# Altium PCB Final decision V5.PcbDoc (part 1 of 2) (continued)
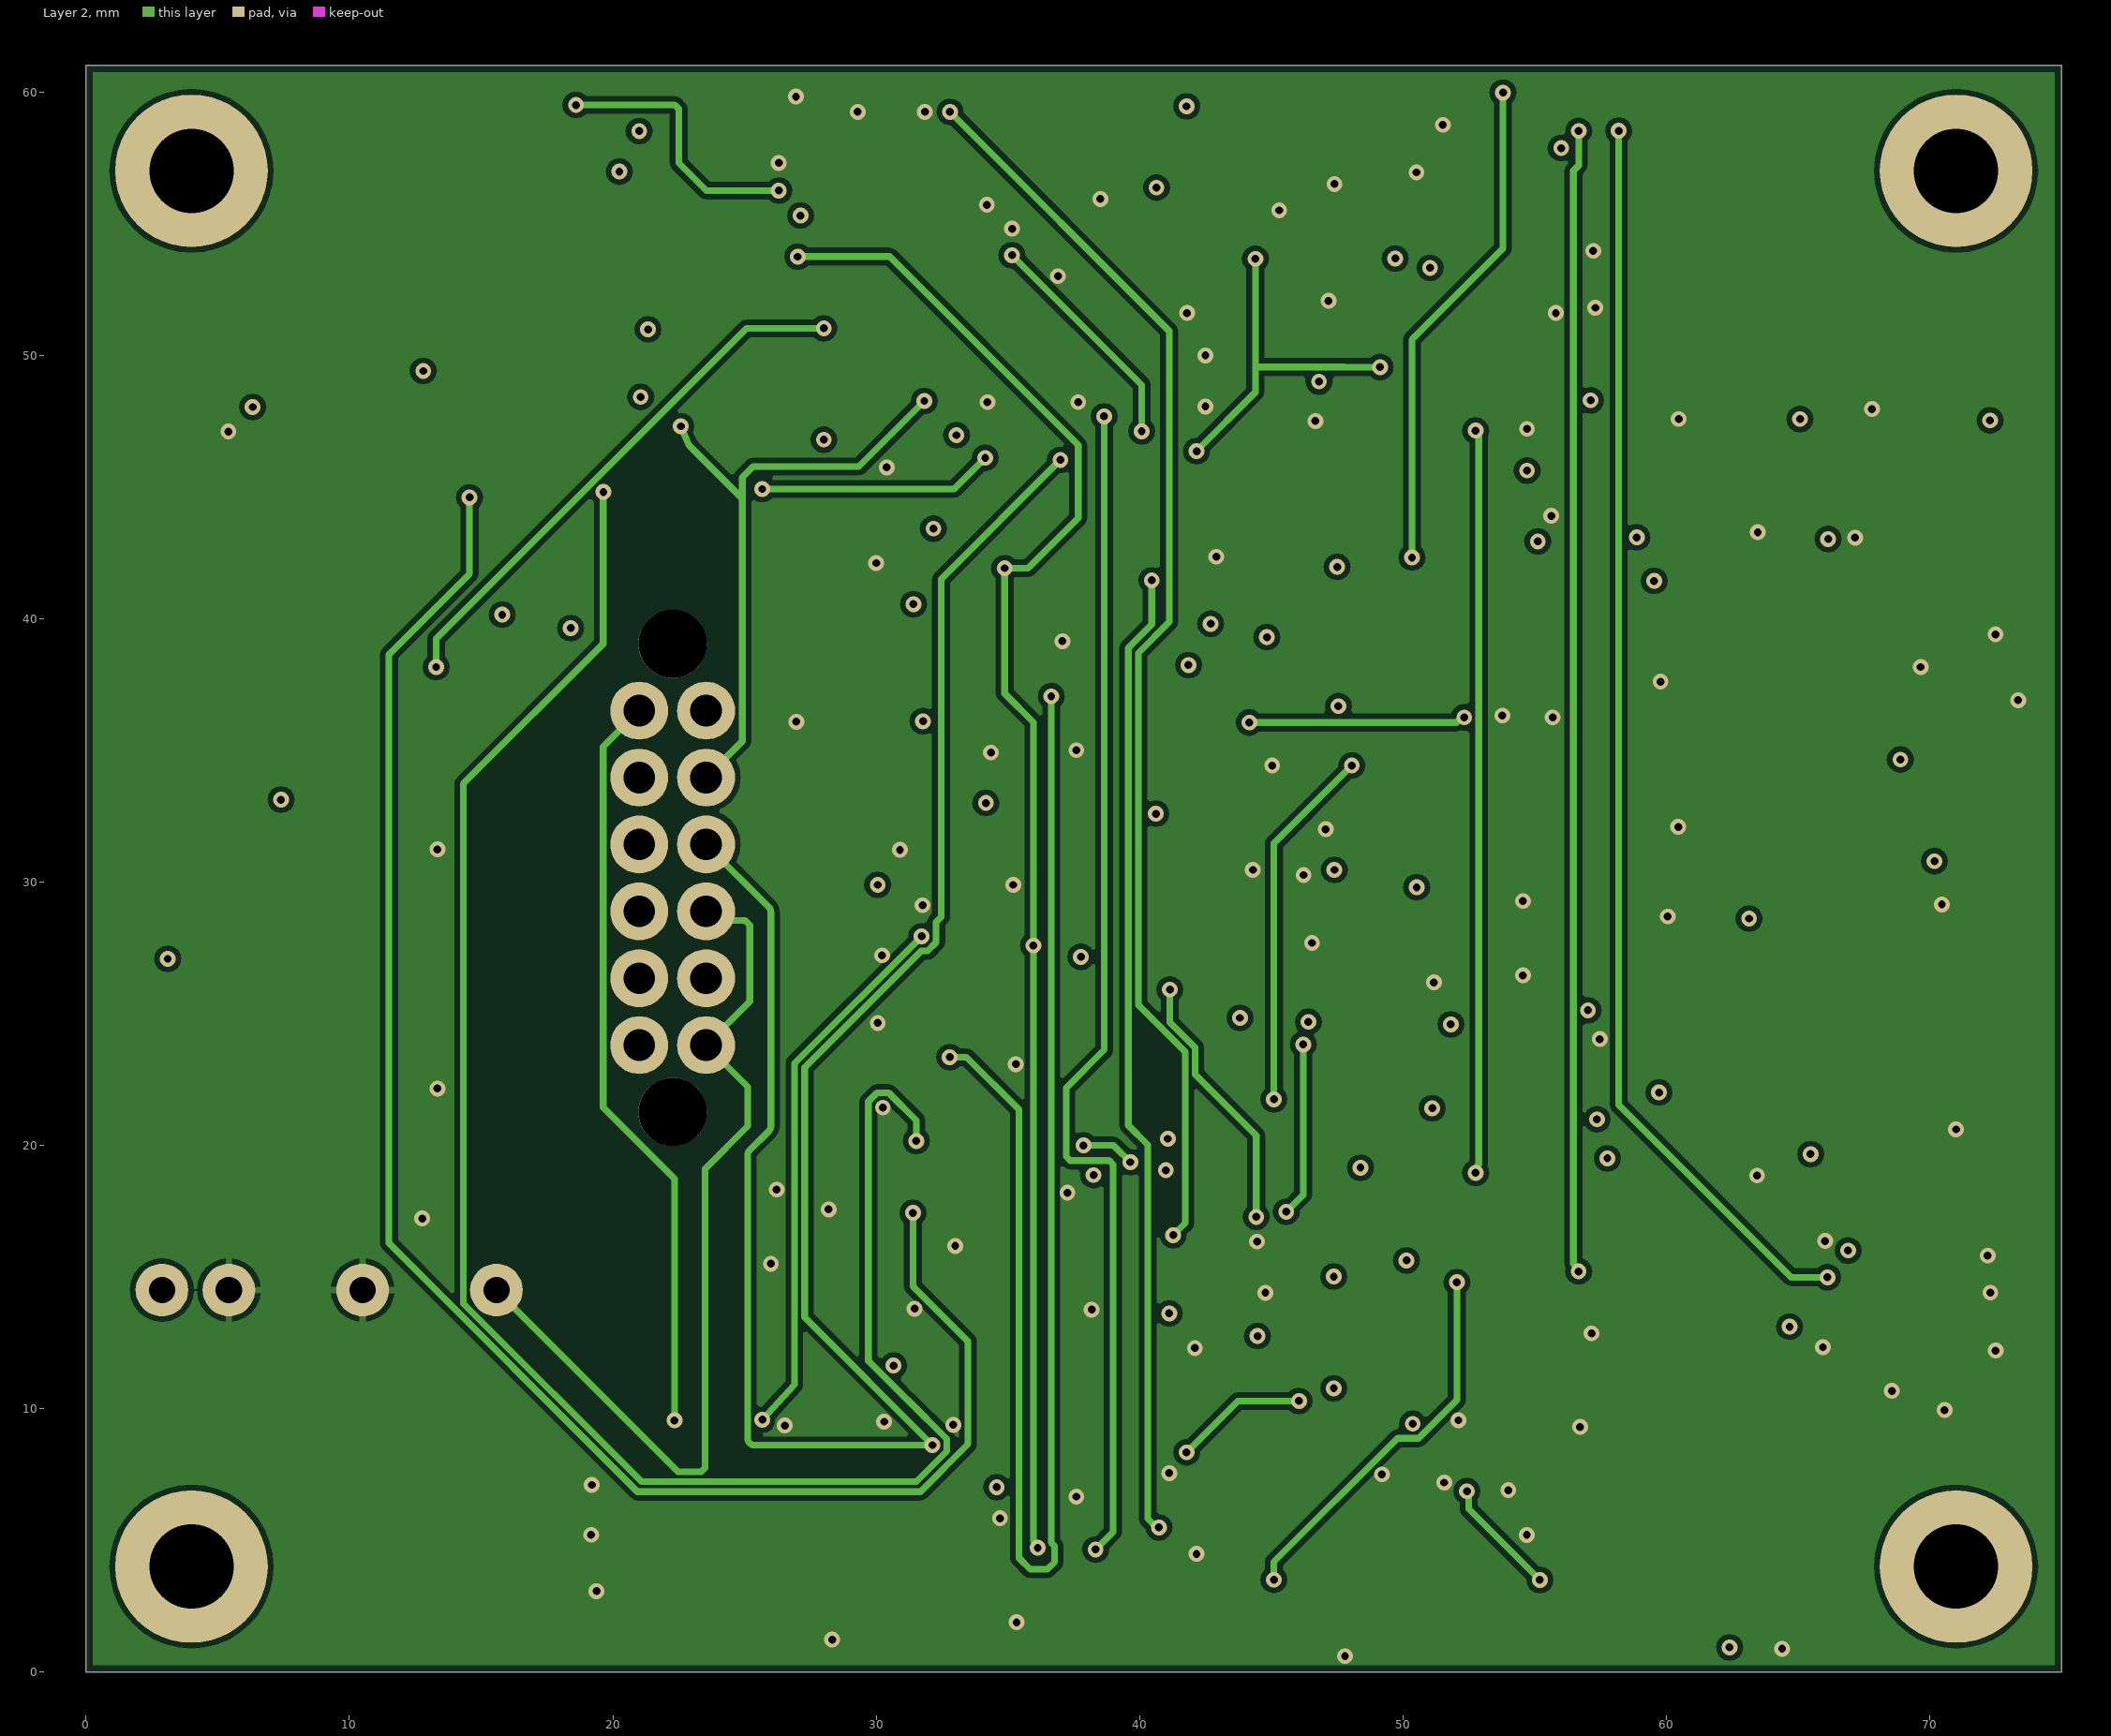
[diagram p3: Layer 2]

## Layer stack, top to bottom
Top Solder: solder mask 0.0102, Solder Resist, Dk 3.5
Top Layer: signal copper 0.0356
Dielectric 2: prepreg 0.0711, PP-006, Dk 4.1
Layer 1: signal copper 0.035
Dielectric 1: dielectric 0.32, FR-4, Dk 4.8
Layer 2: signal copper 0.035
Dielectric 3: prepreg 0.0711, PP-006, Dk 4.1
Bottom Layer: signal copper 0.0356
Bottom Solder: solder mask 0.0102, Solder Resist, Dk 3.5

## Board outline
0,0 75,0 75,61 0,61

## Design rules (kind name [scope] priority, off if disabled: settings)
AcuteAngle [All] p1: minimum=3.50000000000000E+0001 checktracksonly=FALSE
BoardOutlineClearance "BoardOutlineClearance 1" [All] p1: gap=0.25 ignorepadtopadclearanceinfootprint=FALSE except(0: Arc-SplitContinuation Track-SplitContinuation SMDPad-SplitContinuation THPad-SplitContinuation Via-SplitContinuation Fill-SplitContinuation Poly-SplitContinuation Region-SplitContinuation Text-SplitContinuation) // Milling
Clearance "Clearance-1 1/2 Oz" [All] p1: gap=0.125 ignorepadtopadclearanceinfootprint=FALSE except(0.2: Arc-Fill Arc-Poly Track-Fill Track-Poly SMDPad-SMDPad SMDPad-Fill SMDPad-Poly THPad-Fill THPad-Poly Via-Fill Via-Poly Fill-Fill Fill-Poly Poly-Poly Poly-Region Poly-Text; 0.25: Arc-Hole Track-Hole SMDPad-Hole THPad-Hole Via-Hole Fill-Hole Poly-Hole Region-Hole Text-Hole) // Standart
ComponentClearance [All] p1: gap=0.1 collisioncheckmode=3 verticalgap=0.1 showdistances=FALSE
DiffPairsRouting "DiffPairsRouting 1/2 Oz" [All] p1: maxlimit=0.254 minlimit=0.125 mostfreqgap=0.254 toplayer_minwidth=0.125 toplayer_maxwidth=0.381 toplayer_prefwidth=0.381 midlayer1_minwidth=0.125 midlayer1_maxwidth=0.381 midlayer1_prefwidth=0.381 midlayer2_minwidth=0.125 midlayer2_maxwidth=0.381 midlayer2_prefwidth=0.381 bottomlayer_minwidth=0.125 bottomlayer_maxwidth=0.381 bottomlayer_prefwidth=0.381 maxuncoupledlength=12.7
HoleSize "Minimum HoleSize VIA 1" [IsVia] p1: absolutevalues=TRUE maxlimit=5.9 minlimit=0.3 maxpercent=80.000 minpercent=20.000 // Standart
HoleToHoleClearance Hole2HoleClearance [All] p1: gap=0.25 allowstackedmicrovias=FALSE
MinimumAnnularRing "Minimum AR VIA Standart" [All] p1: minimumring=0.15
MinimumAnnularRing "Minimum AR PAD Standart" [All] p2: minimumring=0.2
MinimumSolderMaskSliver "SolderMask Bridge Standart" [All] p1: minsoldermaskwidth=0.15 // All Masks
PlaneClearance "PlaneClearance-1 1/2 Oz" [All] p1: clearance=0.2 // Standart
PlaneConnect "TermalConnect-1 1/2 Oz" [All] p1: planeconnectstyle=Relief reliefexpansion=0.2 reliefentries=4 reliefconductorwidth=0.2 reliefairgap=0.2 // Standart
PolygonConnect "PolygonConnect-1 1/2 Oz" [All] p1: thpad.connectstyle=Relief thpad.reliefconductorwidth=0.254 thpad.reliefentries=4 thpad.polygonreliefangle="90 Angle" thpad.airgapwidth=0.2 smdpad.connectstyle=Relief smdpad.reliefconductorwidth=0.254 smdpad.reliefentries=4 smdpad.polygonreliefangle="90 Angle" smdpad.airgapwidth=0.2 via.connectstyle=Direct via.reliefconductorwidth=0.254 via.reliefentries=4 via.polygonreliefangle="90 Angle" via.airgapwidth=0.254 // Standart
RoomDefinition A1 [InComponentClass('A1')] p1: confinementstyle=ConfineIn formatcopy=TRUE lockcomponents=FALSE outline 31.4,-0.5 75.5,-0.5 75.5,63.8 31.4,63.8
RoomDefinition A2 [InComponentClass('A2')] p2: confinementstyle=ConfineIn formatcopy=TRUE lockcomponents=FALSE outline 31.4,61.435 75.5,61.435 75.5,-2.865 31.4,-2.865
RoomDefinition "Sheet1 V2" [InComponentClass('Sheet1 V2')] p3: confinementstyle=ConfineIn formatcopy=TRUE lockcomponents=FALSE outline -12,0 43.5,0 43.5,61 -12,61
RoutingCorners [All] p1 off: cornerstyle=45-Degree minsetback=2.54 maxsetback=2.54
RoutingVias [All] p1: holewidth=0.4 width=0.8 viastyle="Through Hole" minholewidth=0.3 minwidth=0.6 maxholewidth=5.9 maxwidth=8.9
SilkToSilkClearance Silk2SilkClearance [All] p1 off: silktosilkclearance=0.15
SilkToSolderMaskClearance Silk2SolderMaskClearance [IsPad] p1 off: minsilkscreentomaskgap=0.15 clearancetoexposedcopper=TRUE
SolderMaskExpansion SolderMaskExpansion-1 [All] p1: expansion=0.05 istentingtop=FALSE // Standart
UnRoutedNet [All] p1: checkbadconnections=TRUE
Width "Width 1/2 Oz" [All] p1: maxlimit=10 minlimit=0.125 preferedwidth=0.254 checkconnectedcopper=TRUE
19 further rules are at their usual default settings.

## Classes and differential pairs
net class Sgn_Out[1..3]: Sgn_Out1
net class Sgn_In[1..3]: Sgn_In1 Sgn_In2 Sgn_In3
channel class SignalReciever: A1 A2
component class "Sheet1 V2": C1 C2 C3 C4 C5 C6 C19 C20 C21 C22 C23 C24 D1 D2 J1 Q1 Q2 Q3 Q4 Q5 Q6 Q7 Q8 R1 R2 R3 R4 R5 R6 R7 R8 R9 R10 R11 R12 R13 R14 R15 R16 R17 R18 R19 R45 R46 R47 R49 R50 R51 R52 R53 R54 R55 U1 U2 U3 U4 U25 U26 U27 U28
component class A2: C7_A2 C8_A2 C9_A2 C10_A2 C11_A2 C12_A2 C13_A2 C14_A2 C15_A2 C16_A2 C17_A2 C18_A2 R20_A2 R21_A2 R22_A2 R23_A2 R24_A2 R25_A2 R26_A2 R27_A2 R28_A2 R29_A2 R30_A2 R31_A2 R32_A2 R33_A2 R34_A2 R35_A2 R36_A2 R37_A2 R38_A2 R39_A2 R40_A2 R41_A2 R42_A2 R43_A2 R44_A2 R48_A2 U5_A2 U6_A2 U7_A2 U8_A2 U9_A2 U10_A2 U11_A2 U12_A2 U13_A2 U14_A2 U15_A2 U16_A2 U17_A2 U18_A2 U19_A2 U20_A2 U21_A2 U22_A2 U23_A2 U24_A2
component class A1: C7_A1 C8_A1 C9_A1 C10_A1 C11_A1 C12_A1 C13_A1 C14_A1 C15_A1 C16_A1 C17_A1 C18_A1 R20_A1 R21_A1 R22_A1 R23_A1 R24_A1 R25_A1 R26_A1 R27_A1 R28_A1 R29_A1 R30_A1 R31_A1 R32_A1 R33_A1 R34_A1 R35_A1 R36_A1 R37_A1 R38_A1 R39_A1 R40_A1 R41_A1 R42_A1 R43_A1 R44_A1 R48_A1 U5_A1 U6_A1 U7_A1 U8_A1 U9_A1 U10_A1 U11_A1 U12_A1 U13_A1 U14_A1 U15_A1 U16_A1 U17_A1 U18_A1 U19_A1 U20_A1 U21_A1 U22_A1 U23_A1 U24_A1

## Components (designator, comment, footprint, x,y, rotation, side; value= is the part's Value field where it differs from the comment)
C1 "4.7uF" "Bar Cap 4x5.4" 12.5,6.5 r270 top
C2 "0.1uF" "0603 Capicator" 28.7,37.7 r180 bottom
C3 "0.1uF" "0603 Capicator" 32.2,31.2 r270 bottom
C4 "0.1uF" "0603 Capicator" 27.559,27.932 r180 bottom
C5 "4.7uF" "0603 Capicator" 13.8,10.2 r90 bottom
C6 "0.1uF" "0603 Capicator" 31.2,22.8 r90 bottom
C7_A1 "0.1uF" "0603 Capicator" 67.8,22.6 r0 top (schematic designator C7)
C7_A2 "0.1uF" "0603 Capicator" 66.839,38.6 r0 bottom (schematic designator C7)
C8_A1 "0.1uF" "0603 Capicator" 49.1,51.6 r0 top (schematic designator C8)
C8_A2 "0.1uF" "0603 Capicator" 42.88,7.3 r0 bottom (schematic designator C8)
C9_A1 "0.1uF" "0603 Capicator" 73.4,10.6 r90 top (schematic designator C9)
C9_A2 "0.1uF" "0603 Capicator" 71.45,44.735 r270 bottom (schematic designator C9)
C10_A1 "0.1uF" "0603 Capicator" 48.5,48 r0 top (schematic designator C10)
C10_A2 "0.1uF" "0603 Capicator" 45.58,18.3 r0 bottom (schematic designator C10)
C11_A1 "0.1uF" "0603 Capicator" 69.6,16.2 r0 top (schematic designator C11)
C11_A2 "0.1uF" "0603 Capicator" 71.15,35.935 r0 bottom (schematic designator C11)
C12_A1 "0.1uF" "0603 Capicator" 50.1,32.5 r0 top (schematic designator C12)
C12_A2 "0.1uF" "0603 Capicator" 49.6,32 r0 bottom (schematic designator C12)
C13_A1 "0.1uF" "0603 Capicator" 46.5,12 r0 top (schematic designator C13)
C13_A2 "0.1uF" "0603 Capicator" 43.5,51.6 r0 bottom (schematic designator C13)
C14_A1 "0.1uF" "0603 Capicator" 57.6,10.4 r0 top (schematic designator C14)
C14_A2 "0.1uF" "0603 Capicator" 59.12,50.6 r90 bottom (schematic designator C14)
C15_A1 "0.1uF" "0603 Capicator" 55.6,55.24 r0 top (schematic designator C15)
C15_A2 "0.1uF" "0603 Capicator" 56.5,6.2 r0 bottom (schematic designator C15)
C16_A1 "0.1uF" "0603 Capicator" 50.327,6.08 r90 top (schematic designator C16)
C16_A2 "0.1uF" "0603 Capicator" 53.4,52.9 r270 bottom (schematic designator C16)
C17_A1 "0.1uF" "0603 Capicator" 48.3,25.9 r270 top (schematic designator C17)
C17_A2 "0.1uF" "0603 Capicator" 50.19,35.535 r90 bottom (schematic designator C17)
C18_A1 "0.1uF" "0603 Capicator" 59.58,45.5 r0 top (schematic designator C18)
C18_A2 "0.1uF" "0603 Capicator" 61.6,17.685 r0 bottom (schematic designator C18)
C19 "4.7uF" "0603 Capicator" 8.2,55 r270 top
C20 "10nF" "0603 Capicator" 11.1,50.82 r90 top
C21 "4.7uF" "0603 Capicator" 9,53.8 r270 bottom
C22 "10nF" "0603 Capicator" 22.1,53.02 r90 bottom
C23 "0.1uF" "0603 Capicator" 28.7,55.3 r180 top
C24 "0.1uF" "0603 Capicator" 21.057,45.302 r90 bottom
D1 "Diode" DO-214AB(SMC) 13.5,26.5 r180 bottom
D2 "Diode" DO-214AB(SMC) 13.5,36.5 r180 bottom
J1 "Stack64 6x2" Conn6x2(Molex) 22.27,39.04 r270 top
Q1 "MOSFET-N [IRLML]" SOT-23 5,18.4 r180 bottom
Q2 "MOSFET-N [IRLML]" SOT-23 5.95,24.4 r180 bottom
Q3 "MOSFET-N [IRLML]" SOT-23 5.05,30.4 r180 bottom
Q4 "MOSFET-N [IRLML]" SOT-23 6,37 r180 bottom
Q5 "NPN" SOT-23 22.9,3.9 r90 top
Q6 "NPN" SOT-23 21.2,3.9 r90 bottom
Q7 "NPN" SOT-23 21.2,10.9 r90 bottom
Q8 "NPN" SOT-23 23.4,10.9 r90 top
R1 "1M" "0603 Resistor" 28.65,34.7 r180 bottom
R2 "100k" "0603 Resistor" 28.7,40.7 r0 bottom
R3 "10k" "0603 Resistor" 8.5,45 r0 top
R4 "10k" "0603 Resistor" 8.5,51 r0 bottom
R5 "10k" "0603 Resistor" 8.5,49 r0 top
R6 "10k" "0603 Resistor" 3,47 r180 bottom
R7 "10k" "0603 Resistor" 3,45 r0 top
R8 "10k" "0603 Resistor" 8.5,47 r180 bottom
R9 "10k" "0603 Resistor" 3,51 r0 bottom
R10 "10k" "0603 Resistor" 3,49 r0 top
R11 "10k" "0603 Resistor" 26.3,3.85 r0 top
R12 "10k" "0603 Resistor" 21.3,1.35 r0 bottom
R13 "10k" "0603 Resistor" 21.3,8.35 r0 bottom
R14 "1k" "0603 Resistor" 16.8,3.85 r180 top
R15 "10k" "0805 Resistor" 26.8,10.9 r0 top
R16 "1k" "0603 Resistor" 26.3,4.85 r0 bottom
R17 "1k" "0603 Resistor" 26.3,11.85 r0 bottom
R18 "1k" "0603 Resistor" 16.8,6.35 r180 top
R19 "10k" "0603 Resistor" 36.7,25.7 r270 top
R20_A1 "1k" "0603 Resistor" 36.9,55.033 r90 top (schematic designator R20)
R20_A2 "1k" "0603 Resistor" 32.8,5.517 r270 bottom (schematic designator R20)
R21_A1 "1k" "0603 Resistor" 37.4,41.033 r90 top (schematic designator R21)
R21_A2 "1k" "0603 Resistor" 33.3,19.517 r270 bottom (schematic designator R21)
R22_A1 "1k" "0603 Resistor" 36.9,20.033 r90 top (schematic designator R22)
R22_A2 "1k" "0603 Resistor" 32.8,40.517 r270 bottom (schematic designator R22)
R23_A1 "3k" "0603 Resistor" 43.2,44.535 r90 top (schematic designator R23)
R23_A2 "3k" "0603 Resistor" 39.1,16.015 r270 bottom (schematic designator R23)
R24_A1 "3k" "0603 Resistor" 43.2,51.619 r90 top (schematic designator R24)
R24_A2 "3k" "0603 Resistor" 39.1,8.931 r270 bottom (schematic designator R24)
R25_A1 "3k" "0603 Resistor" 43.2,58.703 r90 top (schematic designator R25)
R25_A2 "3k" "0603 Resistor" 39.1,1.848 r270 bottom (schematic designator R25)
R26_A1 "3k" "0603 Resistor" 43.2,30.368 r90 top (schematic designator R26)
R26_A2 "3k" "0603 Resistor" 39.1,30.183 r270 bottom (schematic designator R26)
R27_A1 "3k" "0603 Resistor" 43.2,23.173 r90 top (schematic designator R27)
R27_A2 "3k" "0603 Resistor" 39.1,37.266 r270 bottom (schematic designator R27)
R28_A1 "3k" "0603 Resistor" 43.2,37.451 r90 top (schematic designator R28)
R28_A2 "3k" "0603 Resistor" 39.1,23.099 r270 bottom (schematic designator R28)
R29_A1 "3k" "0603 Resistor" 43.2,9.116 r90 top (schematic designator R29)
R29_A2 "3k" "0603 Resistor" 38.5,51.483 r270 bottom (schematic designator R29)
R30_A1 "3k" "0603 Resistor" 43.2,2.033 r90 top (schematic designator R30)
R30_A2 "3k" "0603 Resistor" 39,58.083 r270 bottom (schematic designator R30)
R31_A1 "3k" "0603 Resistor" 43.2,16.2 r90 top (schematic designator R31)
R31_A2 "3k" "0603 Resistor" 39.1,44.35 r270 bottom (schematic designator R31)
R32_A1 "1k" "0603 Resistor" 63.7,15.4 r90 top (schematic designator R32)
R32_A2 "1k" "0603 Resistor" 65.47,50.2 r270 bottom (schematic designator R32)
R33_A1 "10k" "0603 Resistor" 62.3,32.8 r90 top (schematic designator R33)
R33_A2 "10k" "0603 Resistor" 61,27.435 r180 bottom (schematic designator R33)
R34_A1 "10k" "0603 Resistor" 63.5,22 r180 top (schematic designator R34)
R34_A2 "10k" "0603 Resistor" 66.82,40.3 r180 bottom (schematic designator R34)
R35_A1 "10k" "0603 Resistor" 58.1,56.02 r90 top (schematic designator R35)
R35_A2 "10k" "0603 Resistor" 53.7,1.1 r0 bottom (schematic designator R35)
R36_A1 "10k" "0603 Resistor" 61.26,58.2 r90 top (schematic designator R36)
R36_A2 "10k" "0603 Resistor" 60.8,1.7 r270 bottom (schematic designator R36)
R37_A1 "3.9k" "0603 Resistor" 30.15,1.88 r90 top (schematic designator R37)
R37_A2 "3.9k" "0603 Resistor" 28.35,57.5 r270 bottom (schematic designator R37)
R38_A1 "1k" "0603 Resistor" 30.15,5.1 r90 top (schematic designator R38)
R38_A2 "1k" "0603 Resistor" 28.35,54.28 r270 bottom (schematic designator R38)
R39_A1 "3k" "0603 Resistor" 31.9,1.88 r90 top (schematic designator R39)
R39_A2 "3k" "0603 Resistor" 30.1,57.5 r270 bottom (schematic designator R39)
R40_A1 "2k" "0603 Resistor" 31.9,5.1 r90 top (schematic designator R40)
R40_A2 "2k" "0603 Resistor" 30.1,54.28 r270 bottom (schematic designator R40)
R41_A1 "2k" "0603 Resistor" 33.65,1.88 r90 top (schematic designator R41)
R41_A2 "2k" "0603 Resistor" 31.85,57.5 r270 bottom (schematic designator R41)
R42_A1 "3k" "0603 Resistor" 33.65,5.1 r90 top (schematic designator R42)
R42_A2 "3k" "0603 Resistor" 31.85,54.28 r270 bottom (schematic designator R42)
R43_A1 "1M" "0603 Resistor" 69.5,18.2 r0 top (schematic designator R43)
R43_A2 "1M" "0603 Resistor" 71.171,33.843 r0 bottom (schematic designator R43)
R44_A1 "100k" "0603 Resistor" 73.4,14.2 r270 top (schematic designator R44)
R44_A2 "100k" "0603 Resistor" 73.5,41.435 r90 bottom (schematic designator R44)
R45 "4.7k" "0603 Resistor" 9.8,52.4 r90 top
R46 "51k" "0603 Resistor" 9.8,55 r90 top
R47 "24k" "0805 Resistor" 13.9,51.2 r0 top
R48_A1 "10k" "0603 Resistor" 59.72,23.785 r90 bottom (schematic designator R48)
R48_A2 "10k" "0603 Resistor" 57.7,35.475 r270 bottom (schematic designator R48)
R49 "4.7k" "0603 Resistor" 15.6,52.6 r180 bottom
R50 "51k" "0603 Resistor" 9,56.4 r270 bottom
R51 "24k" "0805 Resistor" 19.8,54.68 r90 bottom
R52 "10k" "0603 Resistor" 22.49,52.3 r90 top
R53 "10k" "0603 Resistor" 25,52.3 r270 top
R54 "10k" "0603 Resistor" 19.13,49.5 r180 bottom
R55 "10k" "0603 Resistor" 10.7,49.205 r180 bottom
U1 "DC/DC" SIP7 2.88,14.5 r90 top
U2 "2And" SOIC-14 22.49,43.45 r0 top
U3 "Schmitt-Trig" SOT-23-5 27.75,32.2 r0 bottom
U4 "quad R/S latch with 3-state outputs" SOIC-16 33.95,18.89 r90 top
U5_A1 "Comp" SOT-23-5 38.2,44.5 r270 top (schematic designator U5)
U5_A2 "Comp" SOT-23-5 34.1,16.05 r90 bottom (schematic designator U5)
U6_A1 "Comp" SOT-23-5 38.2,51.5 r270 top (schematic designator U6)
U6_A2 "Comp" SOT-23-5 34.1,9.05 r90 bottom (schematic designator U6)
U7_A1 "Comp" SOT-23-5 38.2,58.5 r270 top (schematic designator U7)
U7_A2 "Comp" SOT-23-5 34.1,2.05 r90 bottom (schematic designator U7)
U8_A1 "Comp" SOT-23-5 38.2,23.5 r270 top (schematic designator U8)
U8_A2 "Comp" SOT-23-5 34.1,37.05 r90 bottom (schematic designator U8)
U9_A1 "Comp" SOT-23-5 38.2,30.5 r270 top (schematic designator U9)
U9_A2 "Comp" SOT-23-5 34.1,30.05 r90 bottom (schematic designator U9)
U10_A1 "Comp" SOT-23-5 38.2,37.5 r270 top (schematic designator U10)
U10_A2 "Comp" SOT-23-5 34.1,23.05 r90 bottom (schematic designator U10)
U11_A1 "Comp" SOT-23-5 38.2,2.5 r270 top (schematic designator U11)
U11_A2 "Comp" SOT-23-5 34.1,58.05 r90 bottom (schematic designator U11)
U12_A1 "Comp" SOT-23-5 38.2,9.5 r270 top (schematic designator U12)
U12_A2 "Comp" SOT-23-5 34.1,51.05 r90 bottom (schematic designator U12)
U13_A1 "Comp" SOT-23-5 38.2,16.5 r270 top (schematic designator U13)
U13_A2 "Comp" SOT-23-5 34.1,44.05 r90 bottom (schematic designator U13)
U14_A1 "Inv" SOT236 53.3,51.6 r180 top (schematic designator U14)
U14_A2 "Inv" SOT236 46.7,7.5 r180 bottom (schematic designator U14)
U15_A1 "Inv" SOT236 53.7,32.5 r180 top (schematic designator U15)
U15_A2 "Inv" SOT236 53.3,32 r180 bottom (schematic designator U15)
U16_A1 "Inv" SOT236 50,12 r180 top (schematic designator U16)
U16_A2 "Inv" SOT236 47.2,51.5 r180 bottom (schematic designator U16)
U17_A1 "2And" SOIC-14 46.23,38 r0 top (schematic designator U17)
U17_A2 "2And" SOIC-14 42.56,26.1 r0 bottom (schematic designator U17)
U18_A1 "2And" SOIC-14 46.96,17.05 r0 top (schematic designator U18)
U18_A2 "2And" SOIC-14 45.86,45.85 r0 bottom (schematic designator U18)
U19_A1 "2XOR" SOIC-14 61.79,39.7 r0 top (schematic designator U19)
U19_A2 "2XOR" SOIC-14 64.36,23.435 r0 bottom (schematic designator U19)
U20_A1 "4AND" SOIC-14 57.06,2.25 r0 top (schematic designator U20)
U20_A2 "4AND" SOIC-14 59.12,58.95 r0 bottom (schematic designator U20)
U21_A1 "4NOR" SOIC-14 59.99,49.5 r0 top (schematic designator U21)
U21_A2 "4NOR" SOIC-14 59.53,10.05 r0 bottom (schematic designator U21)
U22_A1 "quad R/S latch with 3-state outputs" SOIC-16 59.69,24.75 r0 top (schematic designator U22)
U22_A2 "quad R/S latch with 3-state outputs" SOIC-16 59.69,36.185 r0 bottom (schematic designator U22)
U23_A1 "Inv" SOT236 50.2,2.8 r90 top (schematic designator U23)
U23_A2 "Inv" SOT236 53.4,56.9 r270 bottom (schematic designator U23)
U24_A1 "Schmitt-Trig" SOT-23-5 70.45,14 r180 top (schematic designator U24)
U24_A2 "Schmitt-Trig" SOT-23-5 70.5,39.935 r180 bottom (schematic designator U24)
U25 "NE555P" SOIC-8 12.8,56.97 r0 top
U26 "Inv" SOT236 23.745,55.3 r0 top
U27 "NE555P" SOIC-8 16.4,58.51 r180 bottom
U28 "4AND" SOIC-14 19.64,41.55 r180 bottom

## Footprints (in the part's own frame and the unit in brackets; to place one, negate y for a bottom-side part, rotate by r counter-clockwise, add the part's x,y. Pads: shape width x height; smd on the part's side, far side on the other; paste and mask are expansions set on the pad)
"0603 Capicator" [mm]
  rect 0.6x0.9 smd: 1(-0.78,0) 2(0.78,0)
  silkscreen extent -0.35,-0.45 0.35,0.45, body extent -0.82,-0.45 0.88,0.45, height 0.9
"0603 Resistor" [mm]
  rect 0.6x0.9 smd: 1(-0.78,0) 2(0.78,0)
  silkscreen extent -0.35,-0.45 0.35,0.45, body extent -0.85,-0.45 0.85,0.45, height 0.55
"0805 Resistor" [mm]
  rect 0.9x1.3 smd: 1(-1.1,0) 2(1.1,0)
  silkscreen extent -0.52,-0.68 0.53,0.67, body extent -1.05,-0.67 1.05,0.68, height 0.6
"Bar Cap 4x5.4" [mm]
  rect 0.8x2.5 smd: 1(0,0) 2(0,-3.5)
  silkscreen extent -2.2,-4 2.25,0.42, body extent -2.15,-4.3 2.15,0.7, height 5.4
Conn6x2(Molex) [mm]
  round 2.2 hole 1.2: 1(2.54,1.27) 2(5.08,1.27) 3(7.62,1.27) 4(10.16,1.27) 5(12.7,1.27) 6(15.24,1.27) 7(2.54,-1.27) 8(5.08,-1.27) 9(7.62,-1.27) 10(10.16,-1.27) 11(12.7,-1.27) 12(15.24,-1.27)
  round 2.6 hole 2.6 unplated: A(0,0) A(17.78,0)
  silkscreen extent -3.25,-21.62 20.87,3.38, body extent -3.15,-31.93 20.79,3.23, height 22.06
DO-214AB(SMC) [mm]
  rrect20% 2x3.4 smd: 1(-3.2,0) 2(3.2,0)
  silkscreen extent -3.53,-3.3 4.5,3.3, body extent -4.06,-3.15 4.06,3.15, height 2.77
SIP7 [mm]
  round 2 hole 1: 1(0,0) 2(0,-2.54) 4(0,-7.62) 6(0,-12.7)
  silkscreen extent -4.77,-17.35 1.45,2.1, body extent -4.7,-17.27 1.39,2.03, height 10.16
SOIC-8 [mm]
  oval 1.6x0.65 smd: 1(0,0) 2(0,-1.27) 3(0,-2.54) 4(0,-3.81) 5(5,-3.81) 6(5,-2.54) 7(5,-1.27) 8(5,0)
  silkscreen extent 1.1,-4.35 3.9,0.55, body extent -0.36,-4.35 5.41,0.55, height 1.45
SOIC-14 [mm]
  oval 0.6x1.3 smd paste+0 mask+0.1: 1(0,0) 2(1.27,0) 3(2.54,0) 4(3.81,0) 5(5.08,0) 6(6.35,0) 7(7.62,0) 8(7.62,5.75) 9(6.35,5.75) 10(5.08,5.75) 11(3.81,5.75) 12(2.54,5.75) 13(1.27,5.75) 14(0,5.75)
  silkscreen extent -0.55,0.82 8.15,4.93, body extent -0.52,-0.12 8.13,5.87, height 1.75
SOIC-16 [mm]
  oval 0.6x1.3 smd paste+0 mask+0.1: 1(0,0) 2(1.27,0) 3(2.54,0) 4(3.81,0) 5(5.08,0) 6(6.35,0) 7(7.62,0) 8(8.89,0) 9(8.89,5.75) 10(7.62,5.75) 11(6.35,5.75) 12(5.08,5.75) 13(3.81,5.75) 14(2.54,5.75) 15(1.27,5.75) 16(0,5.75)
  silkscreen extent -0.55,0.82 9.48,4.92, body extent -0.53,-0.19 9.44,5.94, height 1.78
SOT236 [mm]
  rrect25% 1.21x0.58 smd: 1(-1.255,0.95) 2(-1.255,0) 3(-1.255,-0.95) 4(1.255,-0.95) 5(1.255,0) 6(1.255,0.95)
  silkscreen extent -2.4,-1.56 0.8,1.56, body extent -1.4,-1.45 1.4,1.45, height 1.45
SOT-23 [mm]
  rect 0.7x0.9 smd: 1(0,0) 2(1.9,0) 3(0.95,2.1)
  silkscreen extent -0.4,0.65 2.3,1.83, body extent -0.55,-0.18 2.45,2.22, height 1.1
SOT-23-5 [mm]
  rect 0.7x1 smd mask+0.045: 1(-0.95,0) 2(0,0) 3(0.95,0) 4(0.95,2.2) 5(-0.95,2.2)
  silkscreen extent -1.6,0.3 1.6,1.92, body extent -1.5,-0.15 1.5,2.35, height 1.1
